# KiCad board [DFR1142]Lite Carrier for LattePanda Mu.kicad_pcb
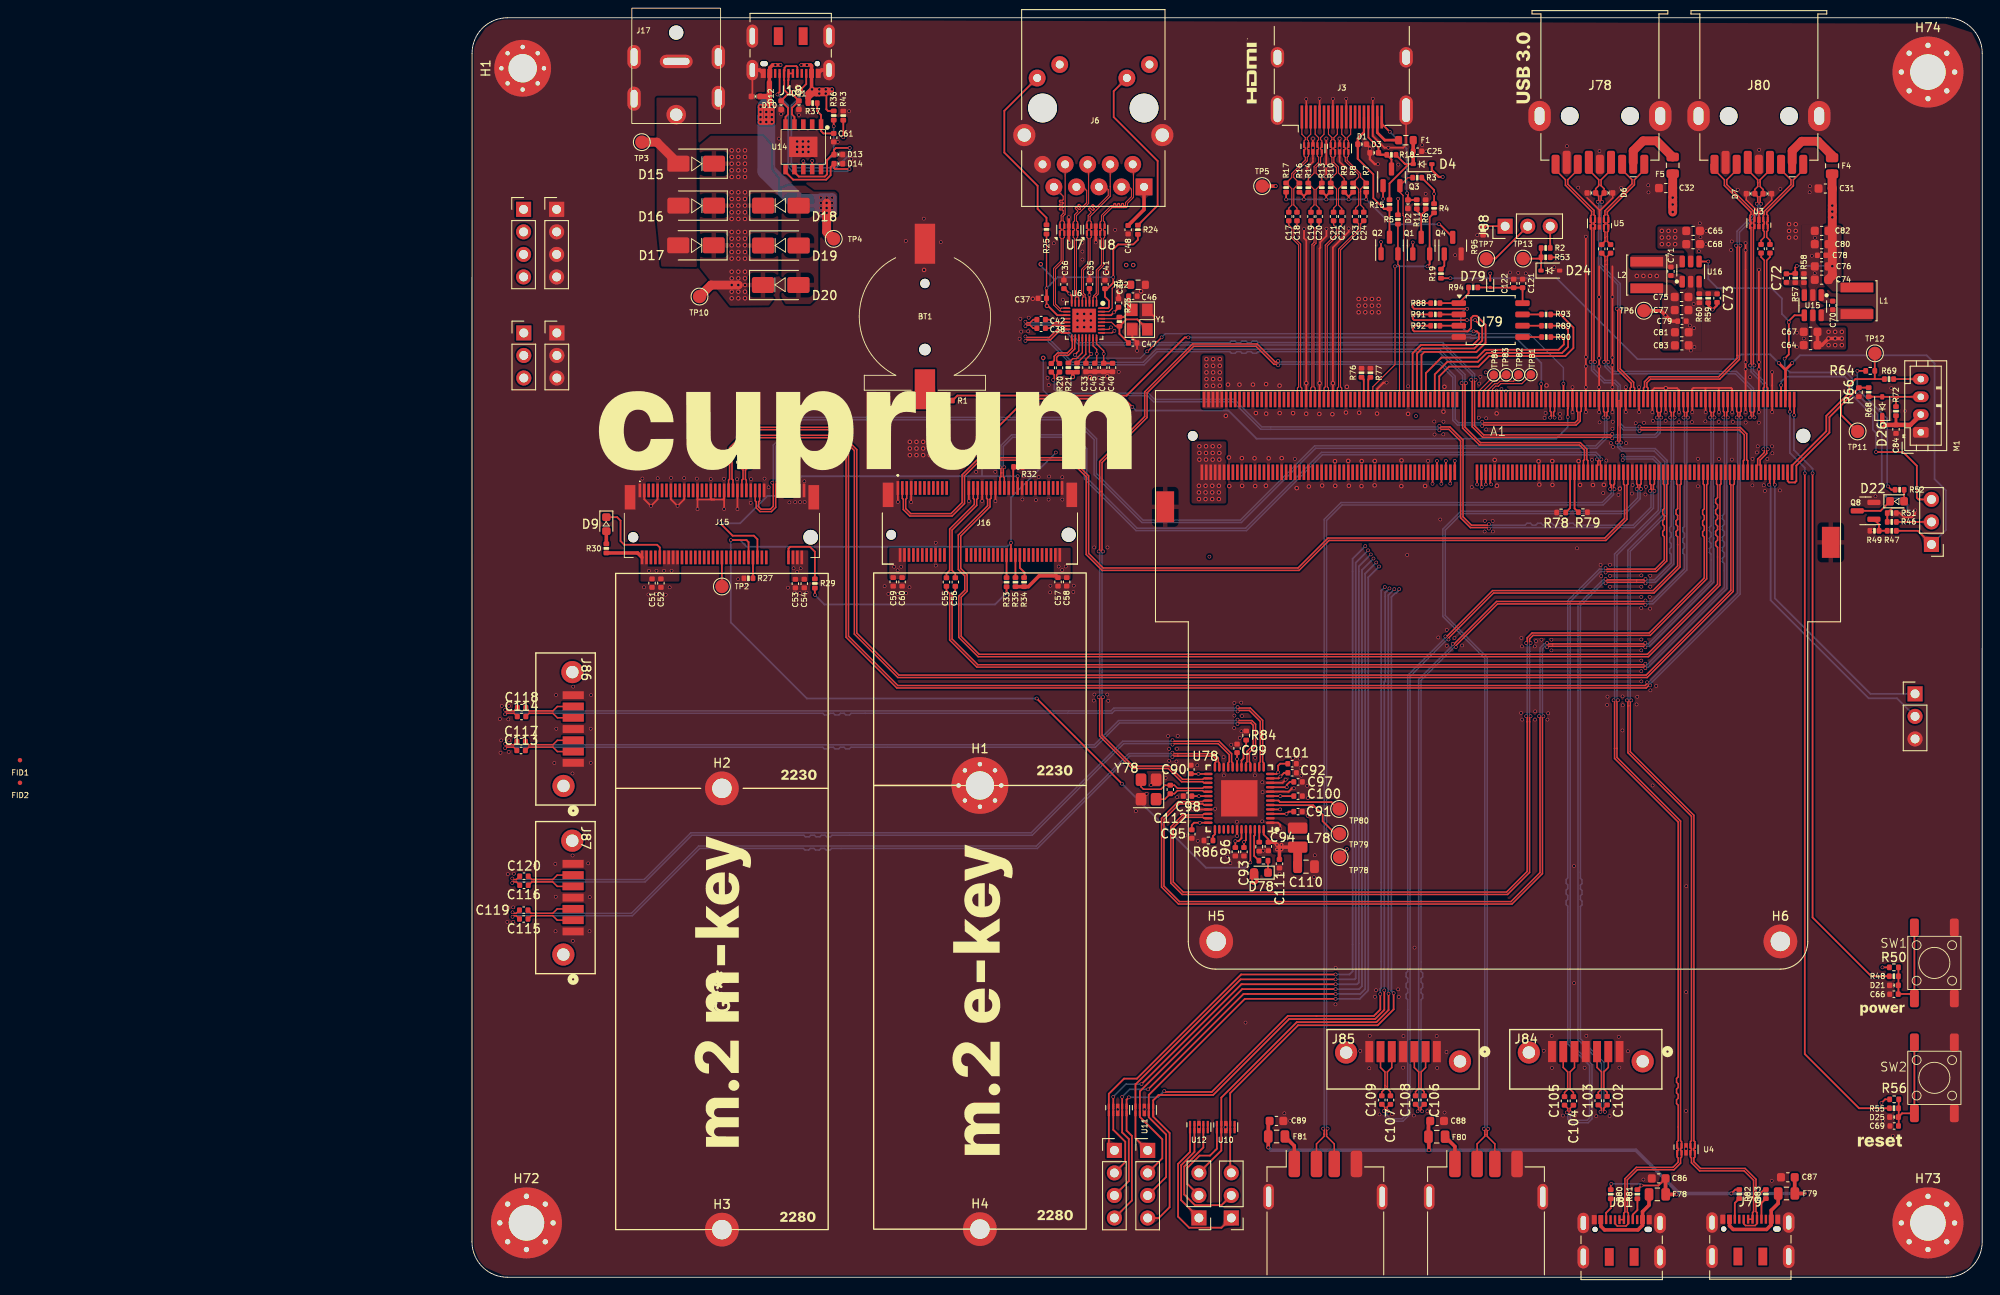
[diagram p0: board, top side]
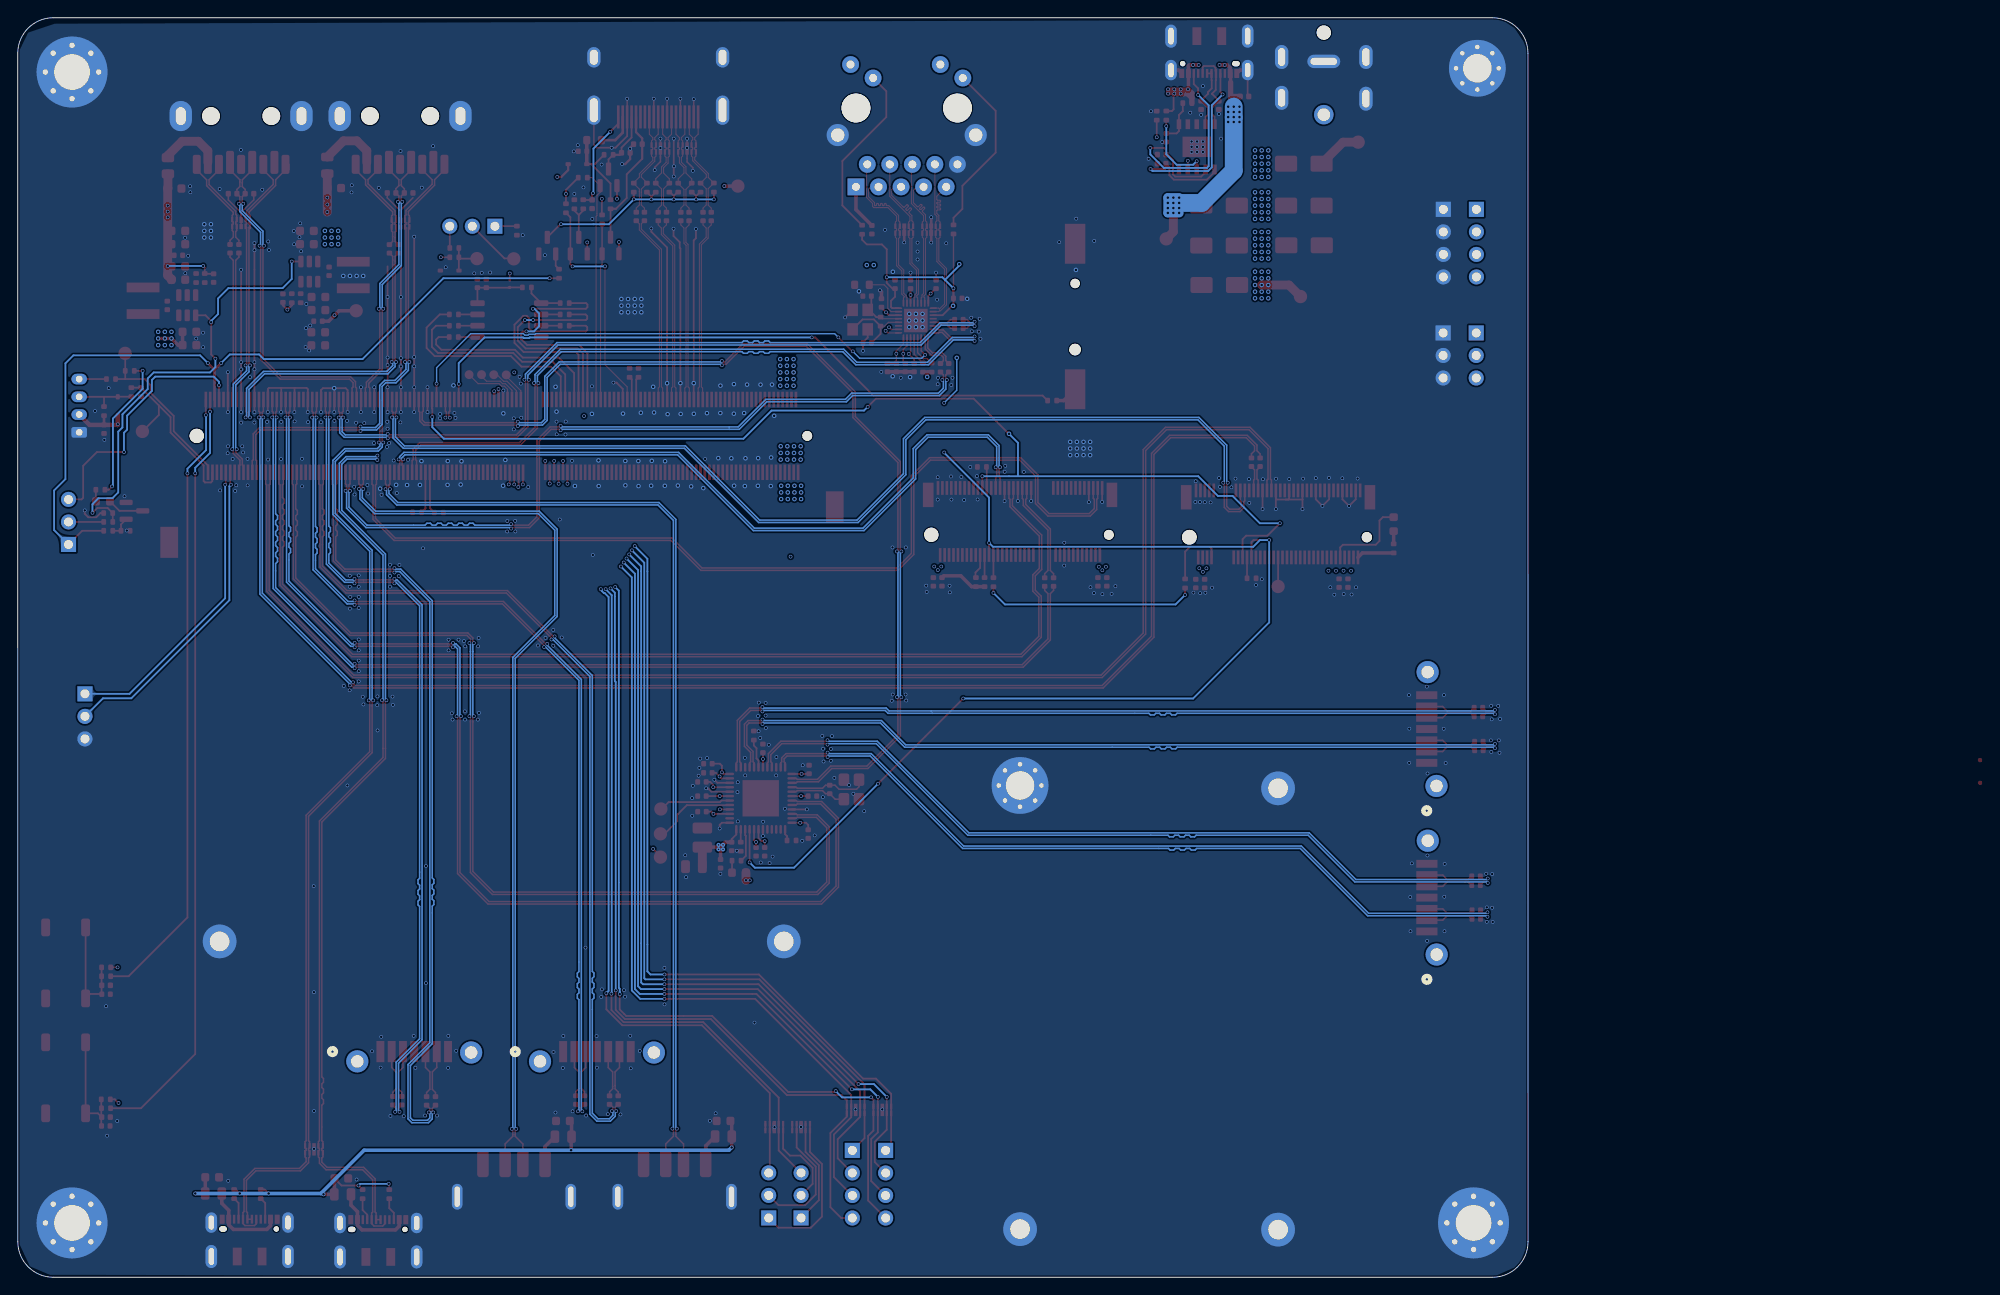
[diagram p1: board, bottom side, seen from below]

Outline 170.19 x 141.95 mm; copper layers: Top, In1.GND, In2.PWR, Bottom. Coordinates in mm from the lower left corner of the outline.
Outline path: 0,4 0.01,137.95 arc(1.18,140.78) 4.01,141.95 166.19,141.95 arc(169.01,140.78) 170.19,137.95 170.18,4 arc(169.01,1.17) 166.18,0 4,0 arc(1.17,1.17) 0,4
Stack: Top 0.035mm / dielectric 0.2104mm FR4 er 4.5 / In1.GND 0.0152mm / dielectric 1.065mm FR4 er 4.5 / In2.PWR 0.0152mm / dielectric 0.2104mm FR4 er 4.5 / Bottom 0.035mm

## Placement (name value [footprint] x y rotation side)
A1  LattePanda_Mu  [LattePanda_Module_H8.0mm_Horizontal]  115.62 94.82 0 top
BT1  Battery_Cell  [Battery_Holder_CR1220_S8411-45R]  51.04 108.28 0 top
C17  100nF/50V  [C_0402_1005Metric]  92.04 119.55 90 top
C18  100nF/50V  [C_0402_1005Metric]  92.96 119.55 90 top
C19  100nF/50V  [C_0402_1005Metric]  94.54 119.55 90 top
C20  100nF/50V  [C_0402_1005Metric]  95.46 119.55 90 top
C21  100nF/50V  [C_0402_1005Metric]  97.09 119.55 90 top
C22  100nF/50V  [C_0402_1005Metric]  98.01 119.55 90 top
C23  100nF/50V  [C_0402_1005Metric]  99.57 119.55 90 top
C24  100nF/50V  [C_0402_1005Metric]  100.49 119.55 90 top
C25  100nF/50V  [C_0402_1005Metric]  106.54 126.9 0 top
C26  100nF/50V  [C_0402_1005Metric]  145.26 115.91 90 top
C27  100nF/50V  [C_0402_1005Metric]  146.26 115.91 90 top
C28  100nF/50V  [C_0402_1005Metric]  127.3 115.9 90 top
C29  100nF/50V  [C_0402_1005Metric]  128.3 115.9 90 top
C31  22uF/10V  [C_0603_1608Metric]  152.51 122.7 0 top
C32  22uF/10V  [C_0603_1608Metric]  134.53 122.75 0 top
C33  100nF/50V  [C_0402_1005Metric]  69.18 102.53 90 top
C34  100nF/50V  [C_0402_1005Metric]  72.86 109.8 270 top
C35  100nF/50V  [C_0402_1005Metric]  69.58 111.91 270 top
C36  100nF/50V  [C_0402_1005Metric]  66.71 111.9 270 top
C37  100nF/50V  [C_0402_1005Metric]  64.26 110.33 0 top
C38  100nF/50V  [C_0402_1005Metric]  64.13 106.95 180 top
C39  100nF/50V  [C_0402_1005Metric]  66.21 102.5 270 top
C40  100nF/50V  [C_0402_1005Metric]  72.18 102.53 90 top
C41  100nF/50V  [C_0402_1005Metric]  71.33 111.9 270 top
C42  100nF/50V  [C_0402_1005Metric]  64.13 107.93 180 top
C43  100nF/50V  [C_0402_1005Metric]  65.28 102.5 270 top
C44  10uF/10V  [C_0402_1005Metric]  71.18 102.53 90 top
C45  100nF/50V  [C_0402_1005Metric]  70.18 102.53 90 top
C46  12pF/50V  [C_0402_1005Metric]  74.48 110.57 180 top
C47  12pF/50V  [C_0402_1005Metric]  74.46 105.3 180 top
C48  100nF/50V  [C_0402_1005Metric]  73.94 118.06 270 top
C49  220nF/50V  [C_0402_1005Metric]  31.16 91.85 270 top
C50  220nF/50V  [C_0402_1005Metric]  30.19 91.85 270 top
C51  10uF/10V  [C_0402_1005Metric]  20.29 78.23 90 top
C52  100nF/50V  [C_0402_1005Metric]  21.29 78.23 90 top
C53  10uF/10V  [C_0402_1005Metric]  36.44 78.18 90 top
C54  100nF/50V  [C_0402_1005Metric]  37.44 78.18 90 top
C55  220nF/50V  [C_0402_1005Metric]  53.46 78.35 90 top
C56  220nF/50V  [C_0402_1005Metric]  54.46 78.35 90 top
C57  10uF/10V  [C_0402_1005Metric]  66.04 78.37 90 top
C58  100nF/50V  [C_0402_1005Metric]  67.01 78.37 90 top
C59  10uF/10V  [C_0402_1005Metric]  47.46 78.37 90 top
C60  100nF/50V  [C_0402_1005Metric]  48.46 78.37 90 top
C61  1uF/16V  [C_0402_1005Metric]  40.76 128.43 270 top
C64  22uF/10V  [C_0603_1608Metric]  150.84 105.05 0 top
C65  22uF/10V  [C_0603_1608Metric]  137.6 117.93 180 top
C66  1uF/16V  [C_0402_1005Metric]  160.23 31.9 180 top
C67  22uF/10V  [C_0603_1608Metric]  150.84 106.55 0 top
C68  22uF/10V  [C_0603_1608Metric]  137.6 116.43 180 top
C69  1uF/16V  [C_0402_1005Metric]  160.26 17.05 180 top
C70  100nF/50V  [C_0402_1005Metric]  153.34 109.53 90 top
C71  100nF/50V  [C_0402_1005Metric]  135.1 113.37 270 top
C72  12pF/50V  [C_0402_1005Metric]  148.11 112.61 270 top  (not fitted)
C73  12pF/50V  [C_0402_1005Metric]  140.3 110.34 90 top  (not fitted)
C74  22uF/10V  [C_0603_1608Metric]  152.09 112.43 0 top
C75  22uF/10V  [C_0603_1608Metric]  136.3 110.48 180 top
C76  22uF/10V  [C_0603_1608Metric]  152.09 113.93 0 top
C77  22uF/10V  [C_0603_1608Metric]  136.3 109 180 top
C78  100nF/50V  [C_0402_1005Metric]  152.08 115.18 180 top
C79  100nF/50V  [C_0402_1005Metric]  136.35 107.75 0 top
C80  22uF/10V  [C_0603_1608Metric]  152.09 116.43 0 top
C81  22uF/10V  [C_0603_1608Metric]  136.33 106.5 180 top
C82  22uF/10V  [C_0603_1608Metric]  152.09 117.93 0 top
C83  22uF/10V  [C_0603_1608Metric]  136.33 105.03 180 top
C84  100nF/50V  [C_0402_1005Metric]  160.46 95.58 270 top
C86  22uF/10V  [C_0603_1608Metric]  133.72 11.14 0 top
C87  22uF/10V  [C_0603_1608Metric]  148.28 11.27 0 top
C88  22uF/10V  [C_0603_1608Metric]  108.75 17.62 180 top
C89  22uF/10V  [C_0603_1608Metric]  90.65 17.62 180 top
C90  0.1u  [C_0402_1005Metric]  81.01 57.22 90 top
C91  0.1u  [C_0402_1005Metric]  93.08 52.47 0 top
C92  0.1u  [C_0402_1005Metric]  92.42 56.85 0 top
C93  0.1u  [C_0402_1005Metric]  86.99 47.95 270 top
C94  0.1u  [C_0402_1005Metric]  89.74 48.55 270 top
C95  0.1u  [C_0402_1005Metric]  81.11 49.95 270 top
C96  0.1u  [C_0402_1005Metric]  86.02 47.95 270 top
C97  0.1u  [C_0402_1005Metric]  93.09 55.83 0 top
C98  0.1u  [C_0402_1005Metric]  80.63 54.22 180 top
C99  0.1u  [C_0402_1005Metric]  86.21 59.61 90 top
C100  0.1u  [C_0402_1005Metric]  93.09 54.22 0 top
C101  0.1u  [C_0402_1005Metric]  92.41 57.88 0 top
C102  .01uF  [C_0402_1005Metric]  127.91 19.9 90 top
C103  .01uF  [C_0402_1005Metric]  126.91 19.9 90 top
C104  .01uF  [C_0402_1005Metric]  124.11 19.88 90 top
C105  .01uF  [C_0402_1005Metric]  123.11 19.88 90 top
C106  .01uF  [C_0402_1005Metric]  107.3 19.97 270 top
C107  .01uF  [C_0402_1005Metric]  103.5 19.97 270 top
C108  .01uF  [C_0402_1005Metric]  106.32 19.97 270 top
C109  .01uF  [C_0402_1005Metric]  102.52 19.97 270 top
C110  10u  [C_0805_2012Metric]  93.99 46.28 0 top
C111  0.1u  [C_0402_1005Metric]  90.99 46.6 270 top
C112  15p  [C_0402_1005Metric]  78.69 54.97 90 top
C113  .01uF  [C_0402_1005Metric]  5.53 59.37 0 top
C114  .01uF  [C_0402_1005Metric]  5.58 63.19 0 top
C115  .01uF  [C_0402_1005Metric]  5.83 40.38 0 top
C116  .01uF  [C_0402_1005Metric]  5.86 44.18 0 top
C117  .01uF  [C_0402_1005Metric]  5.54 60.37 0 top
C118  .01uF  [C_0402_1005Metric]  5.59 64.19 0 top
C119  .01uF  [C_0402_1005Metric]  5.83 41.38 0 top
C120  .01uF  [C_0402_1005Metric]  5.86 45.2 0 top
C121  22uF/6.3V  [C_0402_1005Metric]  118.39 112.01 90 top
C122  0.1uF/16V  [C_0402_1005Metric]  117.38 112.01 90 top
D1  ESD5V0B03  [D_0402_1005Metric]  100.3 127.7 180 top
D2  ESD5V0B03  [D_0402_1005Metric]  105.46 120.93 90 top
D3  ESD5V0B03  [D_0402_1005Metric]  101.66 126.73 0 top
D4  1N5819WS  [D_SOD-323]  107.11 125.45 0 top
D5  ESD5V0B03  [D_0402_1005Metric]  126.14 122.2 0 top
D6  ESD5V0B03  [D_0402_1005Metric]  128.06 122.2 180 top
D7  ESD5V0B03  [D_0402_1005Metric]  144.07 122.12 0 top
D8  ESD5V0B03  [D_0402_1005Metric]  145.97 122.12 180 top
D9  LED_G  [LED_0603_1608Metric]  15.14 84.88 270 top
D10  ESD5V0B03  [D_0402_1005Metric]  34.84 132.09 90 top
D11  ESD5V0B03  [D_0402_1005Metric]  36.84 132.09 90 top
D12  PESD24VS1UL-N  [D_0402_1005Metric]  31.95 133.07 180 top
D13  PESD24VS1UL-N  [D_0402_1005Metric]  41.29 126.53 0 top
D14  PESD24VS1UL-N  [D_0402_1005Metric]  41.29 125.5 0 top
D15  SS54  [D_SMA]  25.26 125.5 180 top
D16  SS54  [D_SMA]  25.26 120.78 180 top
D17  SS54  [D_SMA]  25.24 116.3 180 top
D18  SS54  [D_SMA]  34.81 120.78 0 top
D19  SS54  [D_SMA]  34.81 116.28 0 top
D20  SS54  [D_SMA]  34.79 111.83 0 top
D21  ESD5V0B03  [D_0402_1005Metric]  160.23 32.9 0 top
D22  LED_G  [LED_0603_1608Metric]  160.59 87.45 0 top
D24  3V3 Izt=5mA  [D_SOD-323]  121.51 113.45 0 top
D25  ESD5V0B03  [D_0402_1005Metric]  160.24 18.05 0 top
D26  1N5819WS  [D_SOD-323]  158.91 98.18 90 top
D78  LED Yellow  [LED_0603_1608Metric]  88.91 45.6 180 top
D79  D_Schottky  [D_SOD-923]  114.74 111.97 90 top
F1  6V/50mA  [R_0603_1608Metric]  105.24 128.15 180 top
F4  6V/2A  [R_0805_2012Metric]  153.26 125.26 90 top
F5  6V/2A  [Fuse_0805_2012Metric]  135.3 125.31 90 top
F78  6V/1A  [Fuse_0805_2012Metric]  133.57 9.34 180 top
F79  6V/1A  [Fuse_0805_2012Metric]  148.13 9.44 180 top
F80  6V/1A  [Fuse_0805_2012Metric]  108.72 15.84 0 top
F81  6V/1A  [Fuse_0805_2012Metric]  90.67 15.87 0 top
FID1  Fiducial  [Fiducial_0.5mm_Mask1mm]  -50.94 58.28 0 top
FID2  Fiducial  [Fiducial_0.5mm_Mask1mm]  -50.94 55.72 0 top
G***  -  [LOGO]  65.71 7 0 top
G***#2  -  [LOGO]  44.31 93.85 0 top
G***#3  -  [LOGO]  57.54 31.28 90 top
G***#4  -  [LOGO]  36.84 56.62 0 top
G***#5  -  [LOGO]  65.66 57.12 0 top
G***#6  -  [LOGO]  118.46 136.3 90 top
G***#7  -  [LOGO]  28.26 32.2 90 top
G***#8  -  [LOGO]  158.66 15.4 0 top
G***#9  -  [LOGO]  36.71 6.8 0 top
G***#10  -  [LOGO]  158.94 30.1 0 top
G***#11  -  [LOGO]  87.86 135.98 90 top
H1  MountingHole_Pad  [MountingHole_3.2mm_M3_Pad_Via]  57.24 55.43 0 top
H1#2  MountingHole_Pad  [MountingHole_3.2mm_M3_Pad_Via]  5.71 136.25 90 top
H2  MountingHole_Pad  [MountingHole_2.2mm_M2_DIN965_Pad]  28.16 55.1 0 top
H3  MountingHole_Pad  [MountingHole_2.2mm_M2_DIN965_Pad]  28.16 5.37 0 top
H4  MountingHole_Pad  [MountingHole_2.2mm_M2_DIN965_Pad]  57.24 5.43 0 top
H5  MountingHole_Pad  [MountingHole_2.2mm_M2_DIN965_Pad]  83.86 37.85 0 top
H6  MountingHole_Pad  [MountingHole_2.2mm_M2_DIN965_Pad]  147.44 37.85 0 top
H72  MountingHole_Pad  [MountingHole_4mm_Pad_Via]  6.14 6.12 0 top  (not fitted)
H73  MountingHole_Pad  [MountingHole_4mm_Pad_Via]  164.07 6.12 0 top  (not fitted)
H74  MountingHole_Pad  [MountingHole_4mm_Pad_Via]  164.07 135.83 0 top  (not fitted)
J1  Conn_01x03_Pin  [PinHeader_1x03_P2.54mm_Vertical]  162.61 65.75 0 top
J3  HDMI_A  [HDMI_A_Molex_208658-1001_Horizontal]  98.01 134.06 90 top
J6  RJ45_RB1-125B8G1A  [RJ45_UDE_RB1-125B8G1A]  75.73 122.89 180 top
J7  Conn_01x04_Pin  [PinHeader_1x04_P2.54mm_Vertical]  72.39 14.29 0 top
J8  Conn_01x03_Pin  [PinHeader_1x03_P2.54mm_Vertical]  81.91 6.69 180 top
J9  Conn_01x04_Pin  [PinHeader_1x04_P2.54mm_Vertical]  76.14 14.3 0 top
J10  Conn_01x03_Pin  [PinHeader_1x03_P2.54mm_Vertical]  85.56 6.69 180 top
J11  Conn_01x03_Pin  [PinHeader_1x03_P2.54mm_Vertical]  9.56 106.43 0 top
J12  Conn_01x04_Pin  [PinHeader_1x04_P2.54mm_Vertical]  9.54 120.36 0 top
J13  Conn_01x04_Pin  [PinHeader_1x04_P2.54mm_Vertical]  5.81 120.36 0 top
J14  Conn_01x03_Pin  [PinHeader_1x03_P2.54mm_Vertical]  5.84 106.43 0 top
J15  Bus_M.2_Socket_M  [PCIe_M.2_Connectors_P=0.5mm_H=4.2mm_KeyM]  28.16 85.1 0 top
J16  Bus_M.2_Socket_E  [PCIe_M.2_Connectors_P=0.5mm_H=4.2mm_KeyE]  47.99 88.95 0 top
J17  Barrel_Jack_Switch  [DC_Jack_DC007B_30V_10A]  23.01 143.03 0 top
J18  USB_C_Receptacle_USB2.0  [USB_C_Receptacle_JAE_DX07S016JA1R1500]  35.91 138.73 180 top
J78  USB3_A  [USB3_A_Receptacle_Wuerth_692122030100]  127.1 134.32 180 top
J79  USB_C_Receptacle_USB2.0_16P  [USB_C_Receptacle_JAE_DX07S016JA1R1500]  144.05 3.49 0 top
J80  USB3_A  [USB3_A_Receptacle_Wuerth_692122030100]  145.01 134.32 180 top
J81  USB_C_Receptacle_USB2.0_16P  [USB_C_Receptacle_JAE_DX07S016JA1R1500]  129.55 3.44 0 top
J82  USB_A  [USB_A_Receptacle_GCT_USB1046]  114.26 5.53 0 top
J83  USB_A  [USB_A_Receptacle_GCT_USB1046]  96.16 5.53 0 top
J84  678005005  [CONN_67800-5005_MOL]  125.51 24.57 0 top
J85  678005005  [CONN_67800-5005_MOL]  104.92 24.56 0 top
J86  678005005  [CONN_67800-5005_MOL]  10.55 61.78 270 top
J87  678005005  [CONN_67800-5005_MOL]  10.53 42.78 270 top
J88  Conn_01x03_Pin  [PinHeader_1x03_P2.54mm_Vertical#2]  116.42 118.45 90 top
JP1  Jumper_3_Bridged12  [PinHeader_1x03_P2.54mm_Vertical]  164.46 82.59 180 top
L1  2.2uH/4.3A  [L_Sunlord_SWPA4020S]  156.06 110.05 90 top
L2  2.2uH/4.3A  [L_Sunlord_SWPA4020S]  132.38 112.95 270 top
L78  4.7u  [L_1008_2520Metric]  93.04 49.55 270 top
M1  Fan_4pin  [JST_PH_B4B-PH-K_1x04_P2.00mm_Vertical]  163.26 95.23 90 top
Q1  2N7002  [SOT-23]  106.96 116.26 90 top
Q2  2SK3018  [SOT-23]  103.39 116.28 90 top
Q3  2SK3018  [SOT-23]  103.61 123.96 90 top
Q4  2SK3018  [SOT-23]  110.51 116.26 90 top
Q8  2N7002  [SOT-23]  157.04 86.38 180 top
R1  1K/1%  [R_0402_1005Metric]  53.62 98.8 180 top
R2  10K/1%  [R_0402_1005Metric]  120.99 116 180 top
R3  2.2K/1%  [R_0402_1005Metric]  106.51 123.93 180 top
R4  1M/1%  [R_0402_1005Metric]  108.41 120.48 270 top
R5  2.2K/1%  [R_0402_1005Metric]  104.34 119.22 270 top
R6  21.5K/1%  [R_0402_1005Metric]  107.46 120.93 90 top
R7  470R/1%  [R_0402_1005Metric]  100.76 122.8 270 top
R8  470R/1%  [R_0402_1005Metric]  99.29 122.8 270 top
R9  470R/1%  [R_0402_1005Metric]  98.29 122.8 270 top
R10  470R/1%  [R_0402_1005Metric]  96.76 122.8 270 top
R11  1K/1%  [R_0402_1005Metric]  106.46 120.93 90 top
R13  470R/1%  [R_0402_1005Metric]  95.76 122.8 270 top
R14  470R/1%  [R_0402_1005Metric]  94.24 122.8 270 top
R15  2.2K/1%  [R_0402_1005Metric]  103.39 120.93 270 top
R16  470R/1%  [R_0402_1005Metric]  93.24 122.8 270 top
R17  470R/1%  [R_0402_1005Metric]  91.74 122.81 270 top
R18  2.2K/1%  [R_0402_1005Metric]  103.6 126.5 180 top
R19  2.2K/1%  [R_0402_1005Metric]  109.19 113.1 90 top
R20  10K/1%  [R_0402_1005Metric]  67.21 102.53 90 top
R21  10K/1%  [R_0402_1005Metric]  68.18 102.53 90 top
R22  2.49K/1%  [R_0603_1608Metric]  75.06 111.85 180 top
R23  1M/1%  [R_0402_1005Metric]  72.96 107.7 270 top
R24  470R/1%  [R_0402_1005Metric]  75.04 118.06 270 top
R25  470R/1%  [R_0402_1005Metric]  64.74 118.09 270 top
R27  0R/1%  [R_0402_1005Metric]  31.15 78.78 180 top
R29  0R/1%  [R_0402_1005Metric]  38.64 78.19 270 top
R30  2.2K/1%  [R_0402_1005Metric]  15.14 82.14 270 top
R32  0R/1%  [R_0402_1005Metric]  61.54 91.33 0 top
R33  0R/1%  [R_0402_1005Metric]  60.24 78.34 270 top
R34  10K/1%  [R_0402_1005Metric]  62.21 78.34 270 top
R35  10K/1%  [R_0402_1005Metric]  61.24 78.34 90 top
R36  10K/1%  [R_0402_1005Metric]  40.76 130.92 270 top
R37  1K/1%  [R_0402_1005Metric]  38.39 132.32 0 top
R43  56K/1%  [R_0402_1005Metric]  41.84 130.92 90 top
R46  100R/1%  [R_0402_1005Metric]  159.99 85.12 180 top
R47  1K/1%  [R_0402_1005Metric]  159.99 84.12 180 top
R48  100R/1%  [R_0402_1005Metric]  160.23 33.93 180 top
R49  10K/1%  [R_0402_1005Metric]  158.04 84.12 0 top
R50  10K/1%  [R_0402_1005Metric]  160.23 34.93 180 top  (not fitted)
R51  100K/1%  [R_0402_1005Metric]  159.99 86.12 180 top
R52  2.2K/1%  [R_0402_1005Metric]  160.87 88.75 180 top
R53  2.2K/1%  [R_0402_1005Metric]  120.99 114.95 180 top
R55  100R/1%  [R_0402_1005Metric]  160.24 19.05 180 top
R56  10K/1%  [R_0402_1005Metric]  160.26 20.05 180 top  (not fitted)
R57  75K/1%  [R_0402_1005Metric]  149.11 112.61 90 top
R58  10K/1%  [R_0402_1005Metric]  150.09 112.61 270 top
R59  21.5K/1%  [R_0402_1005Metric]  139.3 110.34 270 top
R60  4.7K/1%  [R_0402_1005Metric]  138.3 110.34 90 top
R64  4.7K/1%  [R_0402_1005Metric]  157.56 102.15 0 top  (not fitted)
R66  21.5K/1%  [R_0402_1005Metric]  156.29 99.75 270 top  (not fitted)
R68  21.5K/1%  [R_0402_1005Metric]  157.39 99.75 90 top
R69  100R/1%  [R_0402_1005Metric]  159.68 101.23 0 top
R72  4.7K/1%  [R_0402_1005Metric]  160.46 97.62 90 top
R76  100K/1%  [R_0402_1005Metric]  100.24 101.94 90 top
R77  100K/1%  [R_0402_1005Metric]  101.24 101.94 90 top
R78  10K/1%  [R_0402_1005Metric]  122.73 86.19 180 top
R79  10K/1%  [R_0402_1005Metric]  125.18 86.22 0 top
R80  22K  [R_0402_1005Metric]  128.32 9.37 270 top
R81  22K  [R_0402_1005Metric]  131.32 9.37 270 top
R82  22K  [R_0402_1005Metric]  142.8 9.38 270 top
R83  22K  [R_0402_1005Metric]  145.8 9.38 270 top
R84  12K1 1%  [R_0402_1005Metric]  87.24 61.05 90 top
R85  4.7K/1%  [R_0402_1005Metric]  88.71 48.53 90 top
R86  12K1 1%  [R_0402_1005Metric]  82.99 49.22 0 top
R87  1K/1%  [R_0402_1005Metric]  89.19 46.95 180 top
R88  0R  [R_0402_1005Metric]  108.55 109.79 0 top
R89  15R/1%  [R_0402_1005Metric]  121.04 107.23 0 top
R90  15R/1%  [R_0402_1005Metric]  121.05 105.96 180 top
R91  15R/1%  [R_0402_1005Metric]  108.55 108.51 0 top
R92  15R/1%  [R_0402_1005Metric]  108.55 107.23 0 top
R93  15R/1%  [R_0402_1005Metric]  121.04 108.51 180 top
R94  120K/1%  [R_0402_1005Metric]  112.81 111.55 180 top
R95  10K/1%  [R_0402_1005Metric]  113.94 117.95 90 top
SW1  SW_Push  [SW_Push_6x6x6]  164.79 35.43 90 top
SW2  SW_Push  [SW_Push_6x6x6]  164.79 22.47 90 top
TP2  TestPoint  [TestPoint_Pad_D1.5mm]  28.16 77.85 0 top
TP3  TestPoint  [TestPoint_Pad_D1.5mm]  19.14 127.93 0 top
TP4  TestPoint  [TestPoint_Pad_D1.5mm]  40.76 117.03 0 top
TP5  TestPoint  [TestPoint_Pad_D1.5mm]  89.04 122.98 0 top
TP6  TestPoint  [TestPoint_Pad_D1.5mm]  132.05 108.93 0 top
TP7  TestPoint  [TestPoint_Pad_D1.5mm]  114.29 114.78 0 top
TP10  TestPoint  [TestPoint_Pad_D1.5mm]  25.64 110.53 0 top
TP11  TestPoint  [TestPoint_Pad_D1.5mm]  156.14 95.33 0 top
TP12  TestPoint  [TestPoint_Pad_D1.5mm]  158.09 104.12 0 top
TP13  TestPoint  [TestPoint_Pad_D1.5mm]  118.44 114.8 0 top
TP78  TestPoint  [TestPoint_Pad_D1.5mm]  97.76 47.35 180 top
TP79  TestPoint  [TestPoint_Pad_D1.5mm]  97.76 49.97 180 top
TP80  TestPoint  [TestPoint_Pad_D1.5mm]  97.71 52.78 180 top
TP81  TestPoint  [TestPoint_Pad_D1.0mm]  119.32 101.73 270 top
TP82  TestPoint  [TestPoint_Pad_D1.0mm]  117.92 101.73 270 top
TP83  TestPoint  [TestPoint_Pad_D1.0mm]  116.54 101.72 90 top
TP84  TestPoint  [TestPoint_Pad_D1.0mm]  115.14 101.7 90 top
U1  TPAZ1023-04F  [Diodes_UDFN-10_1.0x2.5mm_P0.5mm]  94.76 127.21 90 top
U2  TPAZ1023-04F  [Diodes_UDFN-10_1.0x2.5mm_P0.5mm]  97.76 127.21 90 top
U3  ULC0524P  [Diodes_UDFN-10_1.0x2.5mm_P0.5mm]  145.01 118.82 270 top
U4  ULC0524P  [Diodes_UDFN-10_1.0x2.5mm_P0.5mm]  136.8 14.41 90 top
U5  ULC0524P  [Diodes_UDFN-10_1.0x2.5mm_P0.5mm]  127.05 118.76 270 top
U6  RTL8111H-CG-RH  [QFN-32-1EP_4x4mm_P0.4mm_EP2.65x2.65mm]  68.98 107.83 270 top
U7  ULC0524P  [Diodes_UDFN-10_1.0x2.5mm_P0.5mm#2]  67.25 118.06 90 top  (not fitted)
U8  ULC0524P  [Diodes_UDFN-10_1.0x2.5mm_P0.5mm#2]  70.29 118.06 90 top  (not fitted)
U9  ULC0524P  [Diodes_UDFN-10_1.0x2.5mm_P0.5mm]  72.76 18.86 90 top
U10  ULC0524P  [Diodes_UDFN-10_1.0x2.5mm_P0.5mm]  84.94 16.92 90 top
U11  ULC0524P  [Diodes_UDFN-10_1.0x2.5mm_P0.5mm]  75.76 18.86 90 top
U12  ULC0524P  [Diodes_UDFN-10_1.0x2.5mm_P0.5mm]  81.91 16.92 90 top
U14  CH224K  [ESSOP-10-1EP_3.9x5mm_P1.0mm_EP3.2x2.3]  37.33 127.4 270 top
U15  SY8253ADC  [TSOT-23-6]  151.09 109.55 270 top
U16  SY8253ADC  [TSOT-23-6]  137.33 113.34 90 top
U78  ASM1061  [QFN-48_L7.0-W7.0-P0.50-BL-EP4.1]  86.46 53.97 90 top
U79  W25Q128JVS  [SOIC-8_5.3x5.3mm_P1.27mm]  114.79 107.88 0 top
Y1  25MHz  [Crystal_SMD_3225-4Pin_3.2x2.5mm#2]  75.26 107.92 90 top
Y78  Crystal_GND24  [Crystal_SMD_3225-4Pin_3.2x2.5mm]  76.24 54.97 90 top
